# KiCad board polygonus-Shortage-Version.kicad_pcb
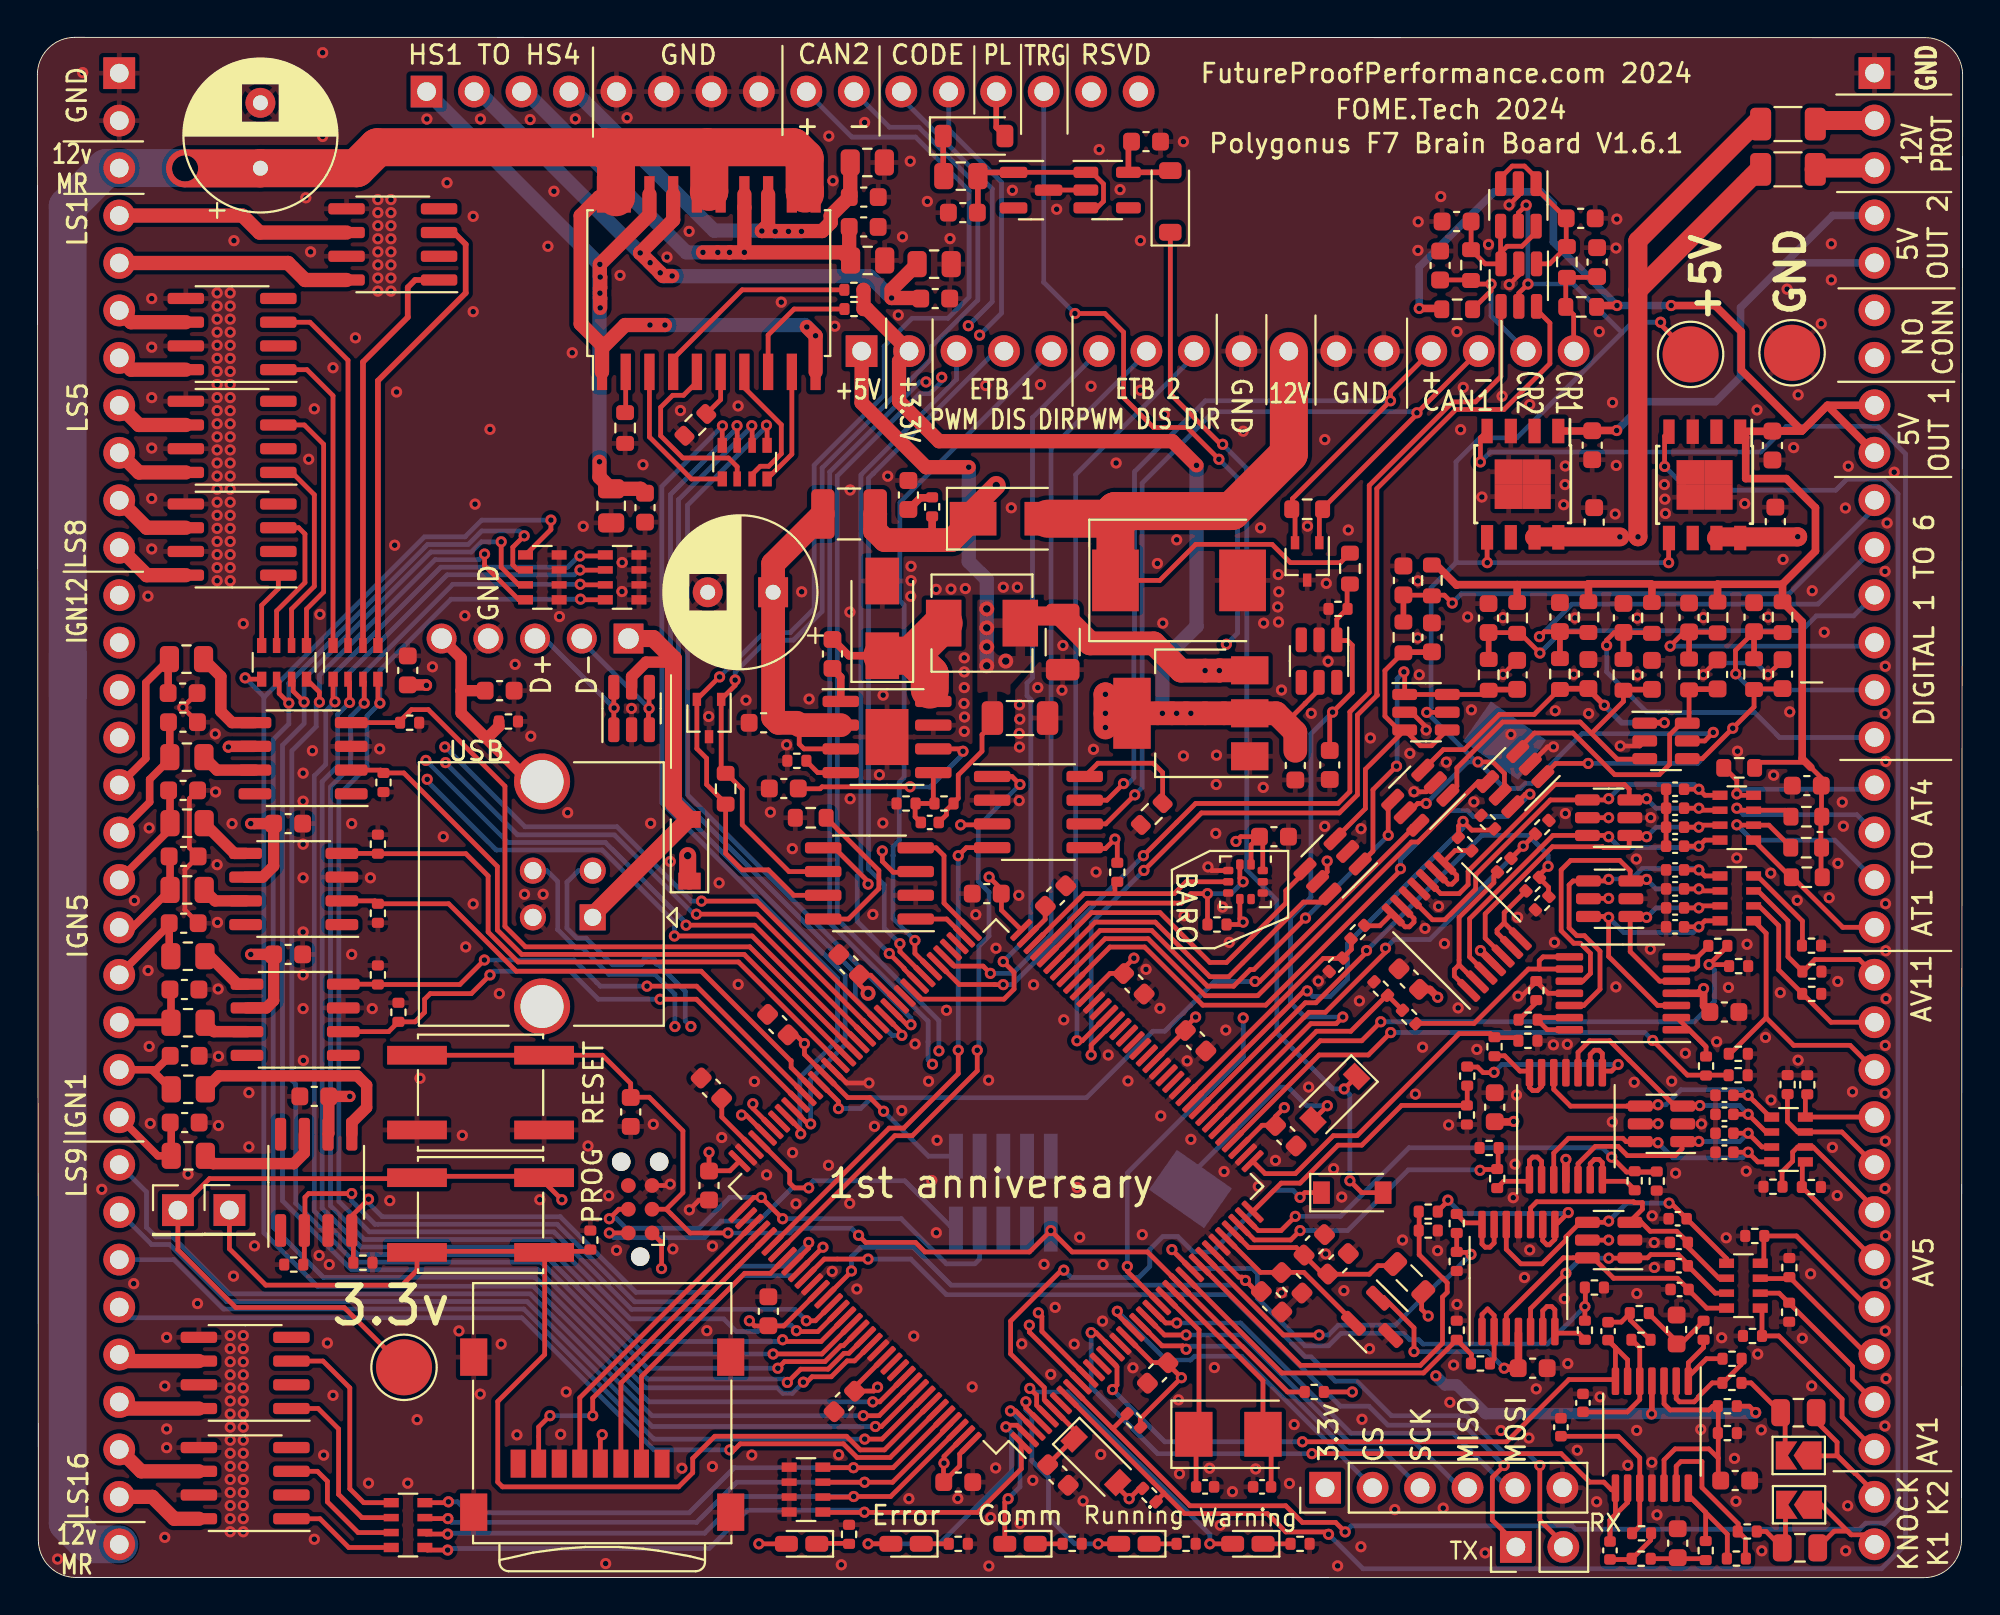
[diagram p0: board, top side]
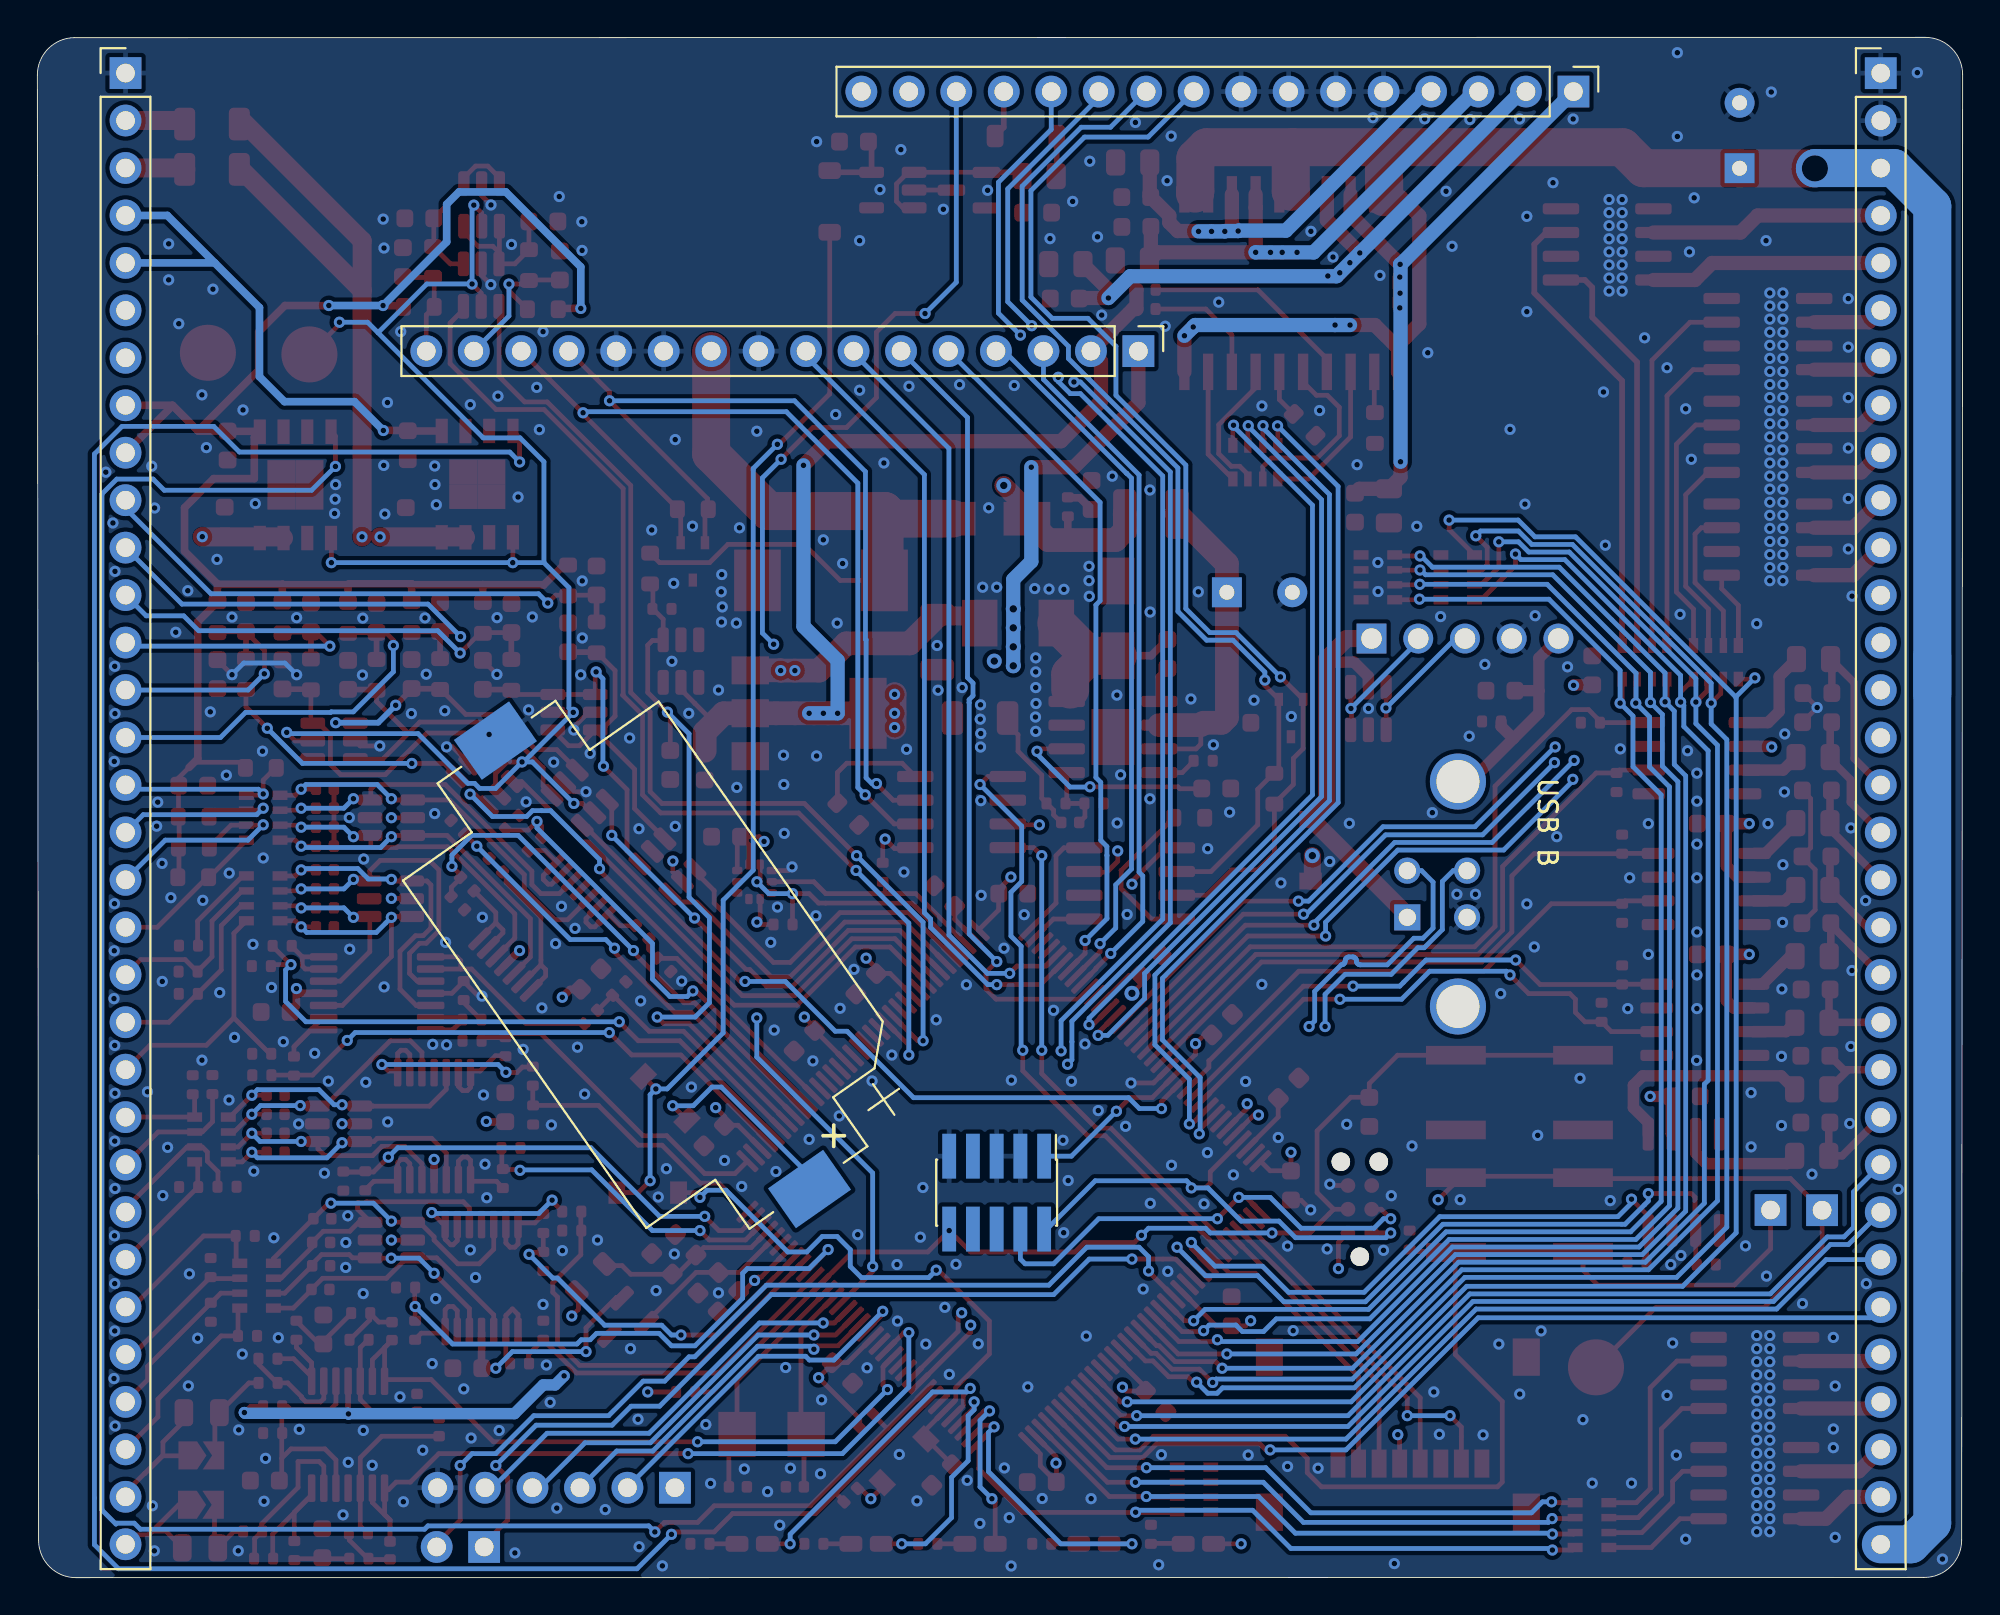
[diagram p1: board, bottom side, seen from below]

Outline 103.01 x 82.44 mm; copper layers: Top, In1.Cu (plane), In2.Cu (plane), Bottom. Coordinates in mm from the lower left corner of the outline.
Outline path: 0,80.44 0.05,2.01 arc(0.64,0.6) 2.05,0.01 100.94,0 arc(102.36,0.59) 102.94,2 103.01,80.42 arc(102.42,81.84) 101.01,82.42 2,82.44 arc(0.59,81.85) 0,80.44

## Placement (name value [footprint] x y rotation side)
BT1  Battery_Cell  [BatteryHolder_Keystone_1060_1x2032]  70.1 32.8 55 bottom
C1  56u  [CP_Radial_D8.0mm_P3.50mm]  11.93 75.43 90 top
C2  1u  [C_0603_1608Metric]  83.3 56.49 90 top
C3  1u  [C_0603_1608Metric]  92.83 60.59 270 top
C4  4.7u  [C_0603_1608Metric]  46.6 57.94 90 top
C5  1u  [C_0603_1608Metric]  92.99 56.52 90 top
C6  56u  [CP_Radial_D8.0mm_P3.50mm]  39.36 52.74 180 top
C7  1u  [C_0603_1608Metric]  38.86 45.75 180 top
C8  10n  [C_0603_1608Metric]  39.94 42.24 180 top
C9  1u  [C_0603_1608Metric]  83.19 60.61 270 top
C10  100n  [C_0603_1608Metric]  42.54 49.44 90 top
C11  330p  [C_0402_1005Metric]  47.75 40.42 180 top
C12  10u  [C_1206_3216Metric]  52.57 46.01 0 top
C13  10u  [C_1206_3216Metric]  54.86 50.07 270 top
C14  4.7u  [C_0603_1608Metric]  67.3 43.47 270 top
C15  10n  [C_0603_1608Metric]  90.84 5.2 180 top
C16  3.3n  [C_0805_2012Metric]  94.22 8.83 0 top
C17  3.3n  [C_0805_2012Metric]  94.31 1.59 0 top
C18  680p  [C_0603_1608Metric]  87.71 13.28 270 top
C19  680p  [C_0603_1608Metric]  87.76 1.84 270 top
C20  330p  [C_0402_1005Metric]  84.04 13.19 270 top
C21  330p  [C_0402_1005Metric]  84.14 1.45 90 top
C22  47p  [C_0402_1005Metric]  82.7 9.35 270 top
C23  47p  [C_0402_1005Metric]  81.52 8.05 270 top
C24  1n  [C_0603_1608Metric]  84.86 51.37 90 top
C25  1n  [C_0603_1608Metric]  91.85 51.4 90 top
C26  1n  [C_0603_1608Metric]  88.37 51.39 90 top
C27  1n  [C_0603_1608Metric]  77.64 51.36 90 top
C28  1n  [C_0603_1608Metric]  81.46 51.41 90 top
C29  1n  [C_0603_1608Metric]  73.09 53.37 90 top
C30  1n  [C_0603_1608Metric]  86.39 48.32 90 top
C31  1n  [C_0603_1608Metric]  93.37 48.36 90 top
C32  1n  [C_0603_1608Metric]  89.9 48.34 90 top
C33  1n  [C_0603_1608Metric]  79.17 48.32 90 top
C34  1n  [C_0603_1608Metric]  82.99 48.36 90 top
C35  1n  [C_0603_1608Metric]  74.61 50.32 90 top
C36  1n  [C_0603_1608Metric]  75.05 70.23 90 top
C37  1n  [C_0603_1608Metric]  83.45 70.41 90 top
C38  1n  [C_0603_1608Metric]  75.93 72.58 180 top
C39  1n  [C_0603_1608Metric]  82.57 72.75 0 top
C40  100n  [C_0603_1608Metric]  73.4 32.04 135 top
C41  100n  [C_0603_1608Metric]  94.67 42.39 0 top
C42  100n  [C_0402_1005Metric]  87.62 39.15 180 top
C43  100n  [C_0402_1005Metric]  87.62 40.16 180 top
C44  100n  [C_0402_1005Metric]  87.62 41.18 180 top
C45  100n  [C_0402_1005Metric]  87.62 42.2 180 top
C46  100n  [C_0603_1608Metric]  80 11.21 0 top
C47  100n  [C_0402_1005Metric]  87.86 15.42 180 top
C48  100n  [C_0402_1005Metric]  87.83 16.69 180 top
C49  100n  [C_0402_1005Metric]  87.83 17.94 180 top
C50  100n  [C_0402_1005Metric]  87.76 19.21 180 top
C51  100n  [C_0603_1608Metric]  77.97 25.18 90 top
C52  100n  [C_0402_1005Metric]  90.26 22.77 180 top
C53  100n  [C_0402_1005Metric]  90.26 23.78 180 top
C54  100n  [C_0402_1005Metric]  90.26 24.8 180 top
C55  100n  [C_0402_1005Metric]  90.26 25.82 180 top
C56  100n  [C_0603_1608Metric]  90.26 30.27 0 top
C57  100n  [C_0402_1005Metric]  87.62 34.83 180 top
C58  100n  [C_0402_1005Metric]  87.62 35.85 180 top
C59  100n  [C_0402_1005Metric]  87.62 36.86 180 top
C60  100n  [C_0402_1005Metric]  87.62 37.88 180 top
C61  100n  [C_0603_1608Metric]  50.79 36.61 0 top
C62  100n  [C_0603_1608Metric]  58.67 31.78 135 top
C63  100n  [C_0603_1608Metric]  66.16 39.66 0 top
C64  100n  [C_0603_1608Metric]  66.03 14.76 135 top
C65  4.7u  [C_0603_1608Metric]  66.8 23.65 135 top
C66  4.7u  [C_0603_1608Metric]  43.43 32.8 315 top
C67  100n  [C_0603_1608Metric]  39.62 29.6 315 top
C68  100n  [C_0603_1608Metric]  61.97 28.73 135 top
C69  100n  [C_0603_1608Metric]  39.11 14.26 270 top
C70  100n  [C_0603_1608Metric]  67.11 15.78 315 top
C71  100n  [C_0603_1608Metric]  49.27 5.11 180 top
C72  4.7u  [C_0603_1608Metric]  43.17 9.43 45 top
C73  100n  [C_0603_1608Metric]  35.94 20.99 90 top
C74  33p  [C_0402_1005Metric]  62.48 4.86 0 top
C75  33p  [C_0402_1005Metric]  65.53 4.86 180 top
C76  4.7u  [C_0603_1608Metric]  59.94 10.95 45 top
C77  2.2u  [C_0603_1608Metric]  54.48 36.48 45 top
C78  2.2u  [C_0603_1608Metric]  36.06 26.19 135 top
C79  100n  [C_0603_1608Metric]  31.74 24.92 90 top
C80  4.7u  [C_0603_1608Metric]  54.6 5.49 315 top
C81  100n  [C_0603_1608Metric]  68.32 17.81 45 top
C82  4.7u  [C_0603_1608Metric]  69.59 16.8 45 top
C83  100n  [C_0603_1608Metric]  24.73 47.47 0 top
C84  1u  [C_0603_1608Metric]  69.15 43.49 270 top
C85  10n  [C_0603_1608Metric]  32.51 57.27 270 top
C86  10n  [C_0603_1608Metric]  48.04 68.46 0 top
C87  10n  [C_0603_1608Metric]  44.21 72.29 0 top
C88  10n  [C_0603_1608Metric]  44.21 73.89 0 top
C89  100n  [C_0603_1608Metric]  49.52 73.06 180 top
C90  2.2u  [C_0603_1608Metric]  59.32 76.86 180 top
C91  100n  [C_0603_1608Metric]  14.82 25.76 0 top
C92  100n  [C_0603_1608Metric]  13.42 33.36 180 top
C93  10n  [C_0603_1608Metric]  7.88 24.36 0 top
C94  10n  [C_0603_1608Metric]  7.88 27.93 0 top
C95  10n  [C_0603_1608Metric]  7.87 31.48 0 top
C96  10n  [C_0603_1608Metric]  7.83 35.03 0 top
C97  100n  [C_0603_1608Metric]  13.42 40.36 180 top
C98  100n  [C_0603_1608Metric]  19.82 48.56 270 top
C99  10n  [C_0603_1608Metric]  7.82 38.6 0 top
C100  10n  [C_0603_1608Metric]  7.8 42.13 0 top
C101  10n  [C_0603_1608Metric]  7.79 45.78 0 top
C102  10n  [C_0603_1608Metric]  7.77 47.34 0 top
D1  SM15T33CA  [D_SMC]  61.08 53.37 0 top
D2  D_Schottky  [D_SMA]  52.06 56.67 0 top
D3  D_Schottky  [D_SMA]  45.21 51.34 90 top
D4  PESD1CAN-UX  [SOT-323_SC-70]  67.94 54.39 270 top
D5  PESD1CAN-UX  [SOT-323_SC-70]  35.94 46.01 270 top
D6  schottky  [D_SOD-123]  69.42 25.66 225 top
D7  schottky  [D_SOD-123]  70.35 20.61 0 top
D8  schottky  [D_SOD-123]  56.64 6.26 315 top
D9  GREEN  [LED_0603_1608Metric_Castellated]  40.89 1.81 180 top
D10  RED  [LED_0603_1608Metric_Castellated]  46.48 1.81 180 top
D11  BLUE  [LED_0603_1608Metric_Castellated]  52.57 1.81 180 top
D12  GREEN  [LED_0603_1608Metric_Castellated]  58.67 1.81 180 top
D13  ORANGE  [LED_0603_1608Metric_Castellated]  64.76 1.81 180 top
D14  schottky  [D_SOD-123]  34.89 38.93 90 top
D15  SRV05-4  [SOT-23-6]  68.57 49.05 270 top
D16  schottky  [D_SOD-123#2]  50.12 77.16 0 top
D17  schottky  [D_SOD-123#2]  60.62 73.66 90 top
F1  Polyfuse  [R_1206_3216Metric]  93.66 75.37 0 top
F2  Polyfuse  [R_1206_3216Metric]  93.66 77.8 180 top
FB1  Ferrite_Bead  [L_0805_2012Metric]  73.4 16.03 135 top
IC1  PSM712-LF-T7  [SOT-23]  53.17 74.26 0 top
J1  Conn_01x01  [TestPoint_Pad_D3.0mm]  93.88 65.56 0 top
J2  Conn_01x01  [TestPoint_Pad_D3.0mm]  88.45 65.47 0 top
J3  Conn_01x01  [TestPoint_Pad_D3.0mm]  19.62 11.26 0 top
J4  Conn_01x32  [PinHeader_1x32_P2.54mm_Vertical]  4.38 80.52 180 bottom
J5  Conn_01x32  [PinHeader_1x32_P2.54mm_Vertical]  98.29 80.53 180 bottom
J6  Conn_01x16  [PinHeader_1x16_P2.54mm_Vertical]  44.1 65.64 270 bottom
J7  Conn_01x16  [PinHeader_1x16_P2.54mm_Vertical]  20.82 79.54 270 bottom
J8  Conn_02x05_Odd_Even  [PinHeader_2x05_P1.27mm_Vertical_SMD]  51.68 20.61 270 bottom
J9  Conn_01x06  [Tag-Connect_TC2030-IDC-NL_2x03_P1.27mm_Vertical]  32.25 19.72 90 top
J10  Micro_SD_Card  [microSD_HC_Wuerth_693072010801]  30.22 7.65 180 top
J11  Conn_01x06  [PinHeader_1x06_P2.54mm_Vertical]  68.9 4.81 90 top
J12  Conn_01x02  [PinHeader_1x02_P2.54mm_Vertical]  79.11 1.64 90 top
J13  USB_B  [conn_5_2.5mm]  26.63 50.26 180 top
J14  USB_B  [USB_B_TE_5787834_Vertical]  29.71 35.34 270 top
J15  Conn_01x01  [PinHeader_1x01_P2.54mm_Vertical]  7.52 19.67 0 top
J16  Conn_01x01  [PinHeader_1x01_P2.54mm_Vertical]  10.28 19.67 0 top
JP1  Jumper_NO_Small  [SolderJumper-2_P1.3mm_Open_TrianglePad1.0x1.5mm]  94.24 6.54 180 top
JP2  Jumper_NO_Small  [SolderJumper-2_P1.3mm_Open_TrianglePad1.0x1.5mm]  94.26 3.9 180 top
L1  2.2u  [L_1210_3225Metric]  43.43 56.93 180 top
L2  10u  [MWSA0503]  50.54 51.09 180 top
R1  10k  [R_0402_1005Metric]  58.67 8.41 315 top
R2  1  [R_0402_1005Metric]  47.87 57.31 90 top
R3  10k  [R_0402_1005Metric]  40.63 43.72 180 top
R4  10k  [R_0402_1005Metric]  59.49 4.41 135 top
R5  12k  [R_0402_1005Metric]  46.48 41.43 180 top
R6  68k  [R_0402_1005Metric]  48.51 41.43 0 top
R7  10  [R_0603_1608Metric]  59.62 40.87 45 top
R8  10  [R_0603_1608Metric]  41.38 40.67 0 top
R9  120  [R_0603_1608Metric]  67.94 57.18 0 top
R10  120  [R_0603_1608Metric]  36.82 42.22 90 top
R11  33k  [R_0402_1005Metric]  90.42 9.18 0 top
R12  33k  [R_0402_1005Metric]  90.42 7.74 0 top
R13  100k  [R_0402_1005Metric]  90.67 10.42 0 top
R14  100k  [R_0402_1005Metric]  91.49 2.47 0 top
R15  470k  [R_0402_1005Metric]  90.67 11.72 0 top
R16  470k  [R_0402_1005Metric]  90.9 1.02 0 top
R17  12k  [R_0402_1005Metric]  89.15 13.24 270 top
R18  12k  [R_0402_1005Metric]  89.26 1.45 90 top
R19  100k  [R_0402_1005Metric]  85.71 14.16 0 top
R20  100k  [R_0402_1005Metric]  85.81 1.01 0 top
R21  33k  [R_0402_1005Metric]  85.8 12.73 0 top
R22  33k  [R_0402_1005Metric]  85.83 2.37 0 top
R23  2.7k  [R_0603_1608Metric]  86.39 51.37 270 top
R24  2.7k  [R_0603_1608Metric]  93.37 51.4 270 top
R25  2.7k  [R_0603_1608Metric]  89.9 51.39 270 top
R26  2.7k  [R_0603_1608Metric]  79.17 51.37 270 top
R27  2.7k  [R_0603_1608Metric]  82.99 51.41 270 top
R28  2.7k  [R_0603_1608Metric]  74.61 53.37 270 top
R29  2.7k  [R_0603_1608Metric]  84.86 48.32 90 top
R30  2.7k  [R_0603_1608Metric]  91.85 48.36 90 top
R31  2.7k  [R_0603_1608Metric]  88.37 48.34 90 top
R32  2.7k  [R_0603_1608Metric]  77.65 48.32 90 top
R33  2.7k  [R_0603_1608Metric]  81.46 48.36 90 top
R34  2.7k  [R_0603_1608Metric]  73.09 50.32 90 top
R35  2.7k  [R_0603_1608Metric]  75.97 67.88 0 top
R36  2.7k  [R_0603_1608Metric]  82.6 68.01 180 top
R37  2.7k  [R_0603_1608Metric]  76.71 70.25 270 top
R38  2.7k  [R_0603_1608Metric]  81.84 70.42 270 top
R39  2.7k  [R_0603_1608Metric]  94.67 37.49 180 top
R40  2.7k  [R_0603_1608Metric]  94.64 39.07 180 top
R41  2.7k  [R_0603_1608Metric]  94.65 40.73 180 top
R42  2.7k  [R_0603_1608Metric]  91.05 43.34 180 top
R43  5.6k  [R_0402_1005Metric]  78.48 38.13 225 top
R44  5.6k  [R_0402_1005Metric]  80 37.12 225 top
R45  5.6k  [R_0402_1005Metric]  76.38 39.26 315 top
R46  5.6k  [R_0402_1005Metric]  70.65 34.55 45 top
R47  10k  [R_0402_1005Metric]  80.51 40.16 225 top
R48  10k  [R_0402_1005Metric]  80.51 36.1 45 top
R49  10k  [R_0402_1005Metric]  77.6 40.44 315 top
R50  10k  [R_0402_1005Metric]  69.48 32.8 45 top
R51  470k  [R_0402_1005Metric]  91.77 12.94 180 top
R52  470k  [R_0402_1005Metric]  93.73 14.2 270 top
R53  470k  [R_0402_1005Metric]  93.74 16.59 90 top
R54  470k  [R_0402_1005Metric]  91.89 18.29 180 top
R55  5.6k  [R_0402_1005Metric]  77.21 11.46 0 top
R56  5.6k  [R_0402_1005Metric]  82.8 13.24 270 top
R57  5.6k  [R_0402_1005Metric]  74.42 19.59 0 top
R58  5.6k  [R_0402_1005Metric]  75.94 18.96 90 top
R59  10k  [R_0402_1005Metric]  75.94 13.24 270 top
R60  10k  [R_0402_1005Metric]  83.31 15.53 180 top
R61  10k  [R_0402_1005Metric]  74.42 18.57 180 top
R62  10k  [R_0402_1005Metric]  75.94 16.92 90 top
R63  470k  [R_0402_1005Metric]  94.92 20.9 0 top
R64  470k  [R_0402_1005Metric]  92.86 20.92 180 top
R65  470k  [R_0402_1005Metric]  93.64 26.39 90 top
R66  470k  [R_0402_1005Metric]  94.7 26.38 90 top
R67  5.6k  [R_0402_1005Metric]  78.11 21.36 270 top
R68  5.6k  [R_0402_1005Metric]  85.46 21.24 270 top
R69  5.6k  [R_0402_1005Metric]  76.5 26.84 90 top
R70  5.6k  [R_0402_1005Metric]  77.96 28.42 270 top
R71  10k  [R_0402_1005Metric]  77.67 23 0 top
R72  10k  [R_0402_1005Metric]  86.64 21.22 90 top
R73  10k  [R_0402_1005Metric]  76.48 24.76 90 top
R74  10k  [R_0402_1005Metric]  79.75 28.73 180 top
R75  470k  [R_0402_1005Metric]  91.01 28.04 0 top
R76  470k  [R_0402_1005Metric]  94.93 31.25 0 top
R77  470k  [R_0402_1005Metric]  94.95 32.43 0 top
R78  470k  [R_0402_1005Metric]  94.92 33.83 0 top
R79  5.6k  [R_0402_1005Metric]  89.28 27.38 90 top
R80  5.6k  [R_0402_1005Metric]  89.91 33.81 180 top
R81  5.6k  [R_0402_1005Metric]  73.4 30 315 top
R82  5.6k  [R_0402_1005Metric]  79.76 29.86 0 top
R83  10k  [R_0402_1005Metric]  91 26.89 180 top
R84  10k  [R_0402_1005Metric]  91.03 32.73 180 top
R85  10k  [R_0402_1005Metric]  71.88 31.53 315 top
R86  10k  [R_0402_1005Metric]  80.2 31.42 270 top
R87  1k  [R_0402_1005Metric]  57.78 37.75 270 top
R88  1k  [R_0402_1005Metric]  63.11 34.96 180 top
R89  10k  [R_0402_1005Metric]  68.32 9.94 0 top
R90  10k  [R_0402_1005Metric]  29.59 18.07 90 top
R91  330  [R_0402_1005Metric]  43.43 2.32 270 top
R92  330  [R_0402_1005Metric]  49.27 1.81 180 top
R93  330  [R_0402_1005Metric]  55.37 1.81 180 top
R94  330  [R_0402_1005Metric]  61.46 1.81 180 top
R95  330  [R_0402_1005Metric]  67.56 1.81 180 top
R96  82k  [R_0603_1608Metric]  70.23 54.01 270 top
R97  10k  [R_0402_1005Metric]  69.59 51.85 180 top
R98  100k  [R_0402_1005Metric]  25.2 45.82 0 top
R99  10k  [R_0402_1005Metric]  43.69 68.92 0 top
R100  10k  [R_0402_1005Metric]  43.69 67.9 0 top
R101  120  [R_0603_1608Metric]  31.45 61.53 270 top
R102  120  [R_0603_1608Metric]  35.21 61.7 225 top
R103  4.7k  [R_0805_2012Metric]  30.7 57.36 270 top
R104  4.7k  [R_0805_2012Metric]  47.98 70.3 0 top
R105  4.7k  [R_0805_2012Metric]  44.42 70.5 0 top
R106  4.7k  [R_0805_2012Metric]  44.4 75.74 0 top
R107  4.7k  [R_0805_2012Metric]  49.41 75.01 0 top
R108  100  [R_0805_2012Metric]  8.07 22.58 0 top
R109  100  [R_0805_2012Metric]  8.07 26.14 0 top
R110  100  [R_0805_2012Metric]  8.06 29.7 0 top
R111  100  [R_0805_2012Metric]  8.05 33.26 0 top
R112  100  [R_0805_2012Metric]  8.01 36.81 0 top
R113  100  [R_0805_2012Metric]  8.01 40.38 0 top
R114  100  [R_0805_2012Metric]  8 43.91 0 top
R115  100  [R_0805_2012Metric]  7.98 49.16 0 top
R1501  1k  [R_0402_1005Metric]  13.72 16.76 0 top
R1502  1k  [R_0402_1005Metric]  17.42 16.86 180 top
R1503  1k  [R_0402_1005Metric]  19.32 30.26 270 top
R1504  1k  [R_0402_1005Metric]  18.22 32.26 270 top
R1601  1k  [R_0402_1005Metric]  18.22 35.56 90 top
R1602  1k  [R_0402_1005Metric]  18.22 39.26 270 top
R1603  1k  [R_0402_1005Metric]  18.52 42.56 90 top
R1604  1k  [R_0402_1005Metric]  19.92 45.76 180 top
RN1  10k  [R_Array_Convex_4x0603]  90.93 40.67 180 top
RN2  10k  [R_Array_Convex_4x0603]  91.28 15.63 180 top
RN3  10k  [R_Array_Convex_4x0603]  93.69 23.45 180 top
RN4  10k  [R_Array_Convex_4x0603]  90.93 36.35 180 top
RN5  1k  [R_Array_Convex_4x0603]  31.29 53.53 180 top
RN6  1k  [R_Array_Convex_4x0603]  17.02 48.99 90 top
RN7  1k  [R_Array_Convex_4x0603]  27.02 53.53 180 top
RN8  1k  [R_Array_Convex_4x0603]  13.2 48.99 90 top
RN9  1k  [R_Array_Convex_4x0603]  41.13 4.71 0 top
RN10  1k  [R_Array_Convex_4x0603]  19.83 2.81 180 top
RN11  10k  [R_Array_Convex_4x0603]  37.84 59.7 270 top
SW1  SW_Push  [SW_SPST_EVQQ2]  23.71 25.96 0 top
SW2  SW_Push  [SW_SPST_EVQQ2]  23.71 19.4 180 top
U1  TLS115D0E  [Infineon_PG-DSO-8-43]  89.2 58.49 270 top
U2  TLS115D0E  [Infineon_PG-DSO-8-43]  79.47 58.52 270 top
U3  LMR14020  [SOIC-8-1EP_3.9x4.9mm_P1.27mm_EP2.29x3mm]  45.46 44.99 0 top
U4  MCP2551-I-SN  [SOIC-8_3.9x4.9mm_P1.27mm]  53.56 40.97 0 top
U5  MCP2551-I-SN  [SOIC-8_3.9x4.9mm_P1.27mm]  44.52 37.15 180 top
U6  AMS1117-3.3  [SOT-223-3_TabPin2]  61.72 46.26 180 top
U7  MCP6004  [TSSOP-14_4.4x5mm_P0.65mm]  86.38 7.65 270 top
U8  SN74LVC2G17DB  [SOT-23-6]  79.07 42.74 225 top
U9  SN74LVC2G17DB  [SOT-23-6]  69.3 38.06 225 top
U10  SN74LVC2G17DB  [SOT-23-6]  73.99 41.74 225 top
U11  SRV05-4  [SOT-23-6]  74.3 46.32 0 top
U12  SRV05-4  [SOT-23-6]  87.14 44.78 0 top
U13  SRV05-4  [SOT-23-6]  79.24 73.47 270 top
U14  SN74LVC2G17DB  [SOT-23-6]  79.26 69.18 270 top
U15  MCP6004  [TSSOP-14_4.4x5mm_P0.65mm]  75.94 34.83 135 top
U16  SRV05-4  [SOT-23-6]  84.07 40.67 180 top
U17  MCP6004  [TSSOP-14_4.4x5mm_P0.65mm]  79.24 16.03 90 top
U18  SRV05-4  [SOT-23-6]  84.07 18.07 180 top
U19  MCP6004  [TSSOP-14_4.4x5mm_P0.65mm]  81.78 24.16 90 top
U20  SRV05-4  [SOT-23-6]  86.89 24.29 180 top
U21  MCP6004  [TSSOP-14_4.4x5mm_P0.65mm]  84.83 31.27 180 top
U22  SRV05-4  [SOT-23-6]  84.12 36.34 180 top
U23  REF3333  [SOT-23]  71.75 13.62 315 top
U24  LPS25HB  [ST_HLGA-10_2.5x2.5mm_P0.6mm_LayoutBorder3x2y]  64.64 37.24 270 top
U26  STM32F767ZITx  [LQFP-144_20x20mm_P0.5mm]  51.29 20.94 135 top
U27  USBLC6-2SC6  [SOT-23-6]  31.79 46.52 90 top
U40  BTS716G  [Infineon_PG-DSO-20-32]  35.92 69.28 90 top
U41  MIC5205-3.3YM5  [SOT-23-5]  57.24 74.26 0 top
U42  MIC4427  [SO-8_3.9x4.9mm_P1.27mm]  14.92 21.16 90 top
U43  MIC4427  [SO-8_3.9x4.9mm_P1.27mm]  13.79 29.86 180 top
U44  MIC4427  [SO-8_3.9x4.9mm_P1.27mm]  13.72 36.86 180 top
U45  MIC4427  [SO-8_3.9x4.9mm_P1.27mm]  14.22 43.86 180 top
U1001  VNLD5090  [SOIC-8_3.9x4.9mm_P1.27mm]  19.02 71.36 180 top
U1002  VNLD5090  [SOIC-8_3.9x4.9mm_P1.27mm]  10.42 66.56 180 top
U1101  VNLD5090  [SOIC-8_3.9x4.9mm_P1.27mm]  10.42 61.06 180 top
U1102  VNLD5090  [SOIC-8_3.9x4.9mm_P1.27mm]  10.42 55.56 180 top
U1201  VNLD5090  [SOIC-8_3.9x4.9mm_P1.27mm]  11.12 10.96 180 top
U1202  VNLD5090  [SOIC-8_3.9x4.9mm_P1.27mm]  11.12 5.06 180 top
Y1  8MHz  [Crystal_SMD_5032-2Pin_5.0x3.2mm]  63.72 7.67 0 top
